# KiCad board impeller18.kicad_pcb (continued)
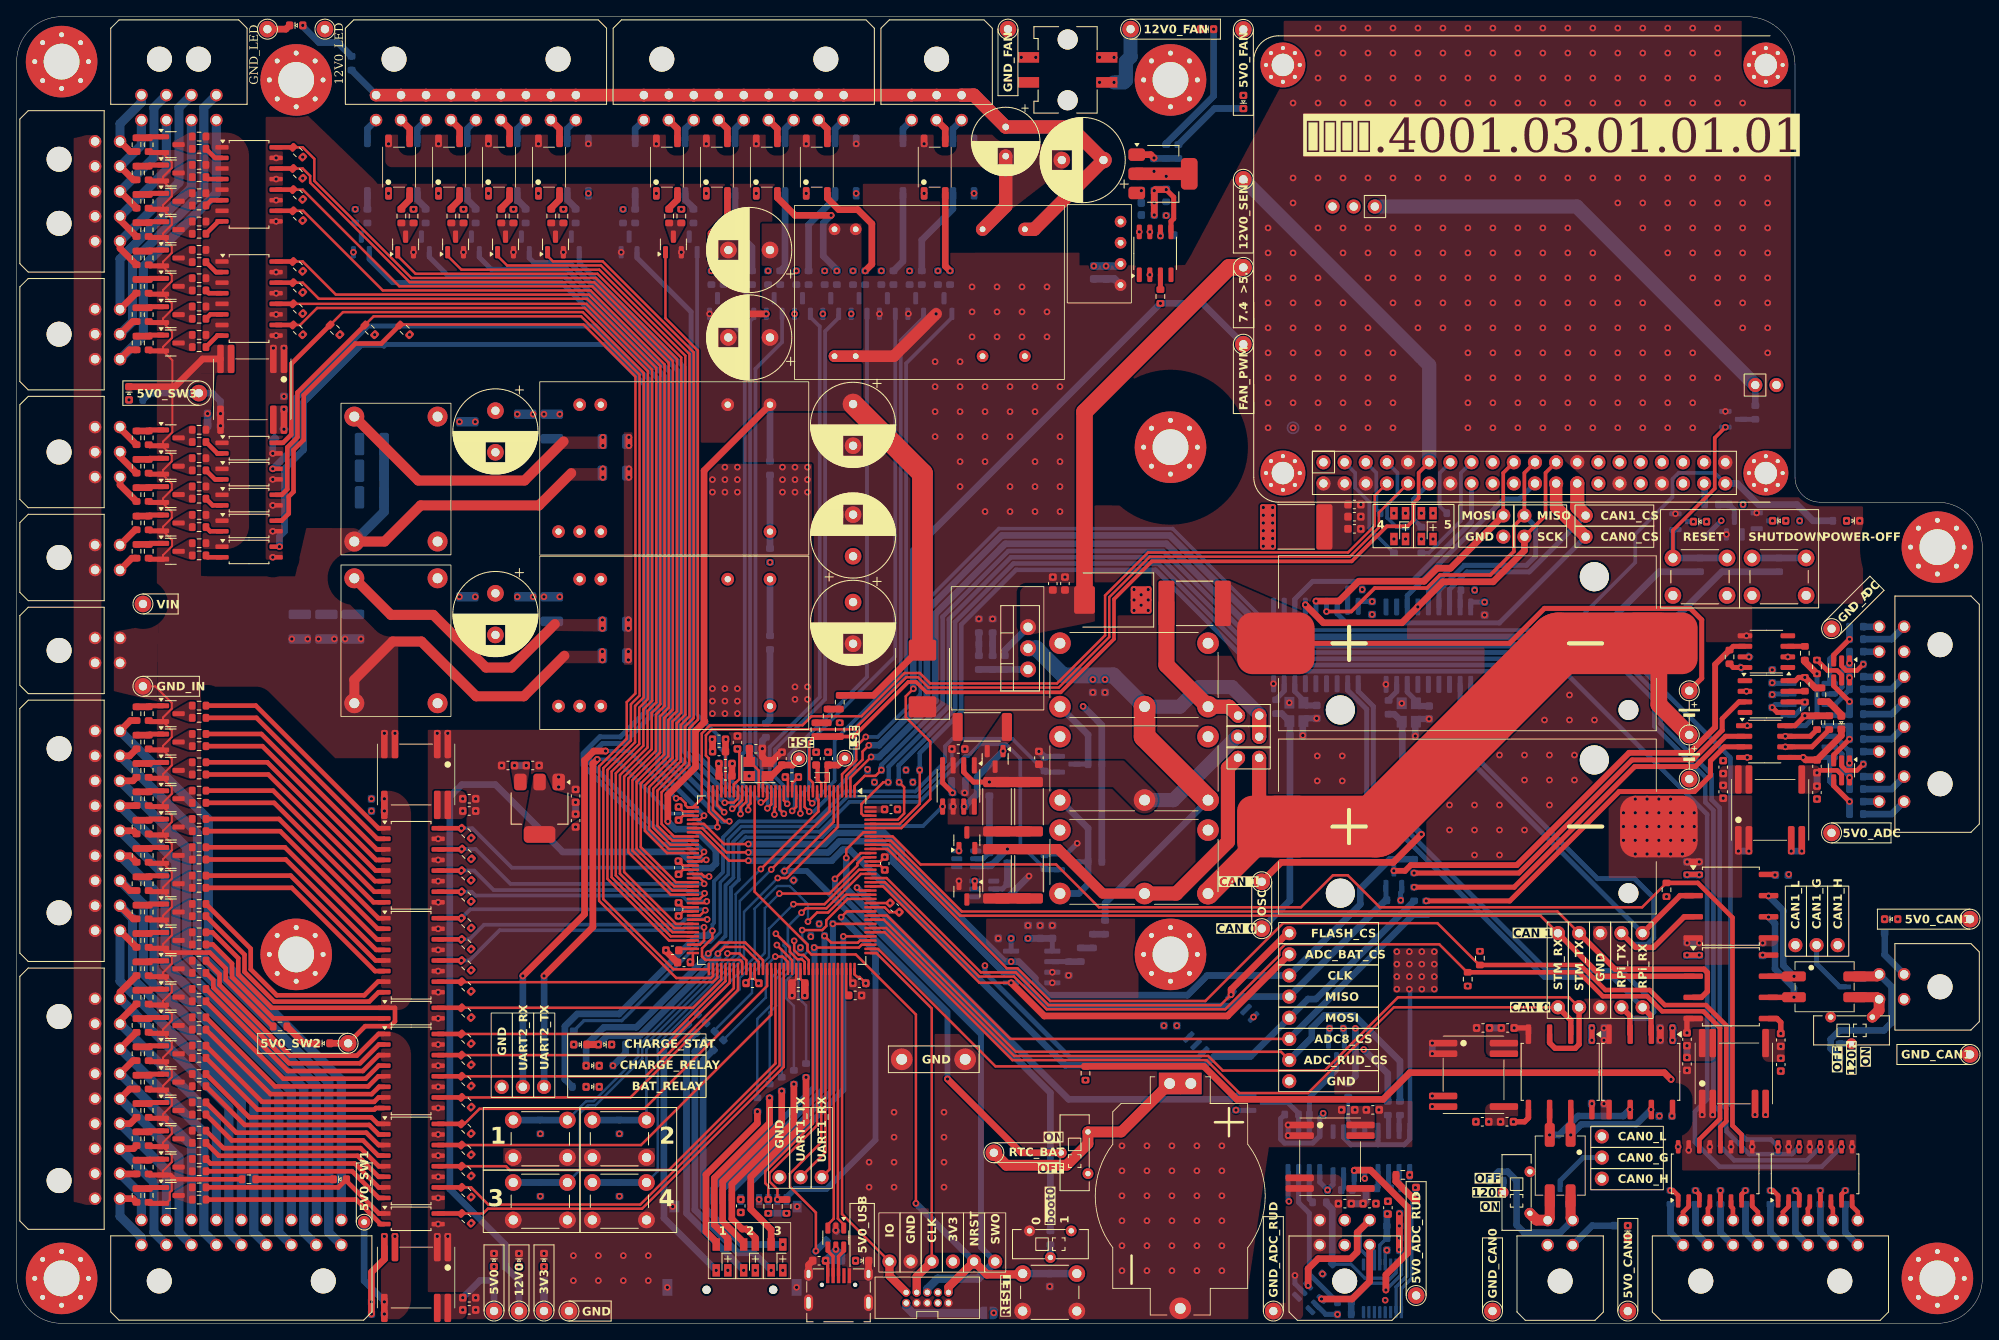
[diagram p0: board, top side]
## Footprints (pads in the part's own frame, mm; a bottom-side part is the same pattern mirrored in y, then rotated) (continued)
  rrect 0.3x1.475 smd: 37(-8.75,-10.662) 38(-8.25,-10.662) 39(-7.75,-10.662) 40(-7.25,-10.662) 41(-6.75,-10.662) 42(-6.25,-10.662) 43(-5.75,-10.662) 44(-5.25,-10.662) 45(-4.75,-10.662) 46(-4.25,-10.662) 47(-3.75,-10.662) 48(-3.25,-10.662) 49(-2.75,-10.662) 50(-2.25,-10.662) 51(-1.75,-10.662) 52(-1.25,-10.662) 53(-0.75,-10.662) 54(-0.25,-10.662) 55(0.25,-10.662) 56(0.75,-10.662) 57(1.25,-10.662) 58(1.75,-10.662) 59(2.25,-10.662) 60(2.75,-10.662) 61(3.25,-10.662) 62(3.75,-10.662) 63(4.25,-10.662) 64(4.75,-10.662) 65(5.25,-10.662) 66(5.75,-10.662) 67(6.25,-10.662) 68(6.75,-10.662) 69(7.25,-10.662) 70(7.75,-10.662) 71(8.25,-10.662) 72(8.75,-10.662) 109(8.75,10.662) 110(8.25,10.662) 111(7.75,10.662) 112(7.25,10.662) 113(6.75,10.662) 114(6.25,10.662) 115(5.75,10.662) 116(5.25,10.662) 117(4.75,10.662) 118(4.25,10.662) 119(3.75,10.662) 120(3.25,10.662) 121(2.75,10.662) 122(2.25,10.662) 123(1.75,10.662) 124(1.25,10.662) 125(0.75,10.662) 126(0.25,10.662) 127(-0.25,10.662) 128(-0.75,10.662) 129(-1.25,10.662) 130(-1.75,10.662) 131(-2.25,10.662) 132(-2.75,10.662) 133(-3.25,10.662) 134(-3.75,10.662) 135(-4.25,10.662) 136(-4.75,10.662) 137(-5.25,10.662) 138(-5.75,10.662) 139(-6.25,10.662) 140(-6.75,10.662) 141(-7.25,10.662) 142(-7.75,10.662) 143(-8.25,10.662) 144(-8.75,10.662)
MountingHole_2.7mm_M2.5_Pad_Via
  round 0.8 hole 0.5: 1(-2.025,0) 1(-1.432,1.432) 1(-1.432,-1.432) 1(0,2.025) 1(0,-2.025) 1(1.432,1.432) 1(1.432,-1.432) 1(2.025,0)
  round 5.4 hole 2.7: 1(0,0)
MountingHole_M4_PCHSS4-22
  round 0.9 hole 0.6: 1(-3.225,0) 1(-2.28,2.28) 1(-2.28,-2.28) 1(0,3.225) 1(0,-3.225) 1(2.28,2.28) 1(2.28,-2.28) 1(3.225,0)
  round 8.6 hole 4.3: 1(0,0)
MountingHole_M4_protected
  round 0.9 hole 0.6: 1(-3.225,0) 1(-2.28,2.28) 1(-2.28,-2.28) 1(0,3.225) 1(0,-3.225) 1(2.28,2.28) 1(2.28,-2.28) 1(3.225,0)
  round 8.6 hole 4.3: 1(0,0)
MSS-12D16
  round 1.3 hole 0.65: 1(-1.6,2.5) 2(1.6,0) 3(-1.6,-2.5)
PinHeader_1x02_P2.54mm_Vertical
  round 1.7 hole 1: 1(0,0)
  oval 1.7x1.7 hole 1: 2(0,-2.54)
PinHeader_1x03_P2.54mm_Vertical
  round 1.7 hole 1: 1(0,0)
  oval 1.7x1.7 hole 1: 2(0,-2.54) 3(0,-5.08)
PinHeader_1x05_P2.54mm_Vertical
  round 1.7 hole 1: 1(0,0)
  oval 1.7x1.7 hole 1: 2(0,-2.54) 3(0,-5.08) 4(0,-7.62) 5(0,-10.16)
PinHeader_1x06_P2.54mm_Vertical
  round 1.7 hole 1: 1(0,0)
  oval 1.7x1.7 hole 1: 2(0,-2.54) 3(0,-5.08) 4(0,-7.62) 5(0,-10.16) 6(0,-12.7)
PinHeader_1x08_P2.54mm_Vertical
  round 1.7 hole 1: 1(0,0)
  oval 1.7x1.7 hole 1: 2(0,-2.54) 3(0,-5.08) 4(0,-7.62) 5(0,-10.16) 6(0,-12.7) 7(0,-15.24) 8(0,-17.78)
PinHeader_2x02_P2.54mm_Vertical
  round 1.7 hole 1: 1(0,0)
  oval 1.7x1.7 hole 1: 2(2.54,0) 3(0,-2.54) 4(2.54,-2.54)
PinHeader_2x05_P1.27mm_Vertical_mod
  round 1 hole 0.65: 1(0,0)
  oval 1x1 hole 0.65: 2(1.27,0) 3(0,-1.27) 4(1.27,-1.27) 5(0,-2.54) 6(1.27,-2.54) 7(0,-3.81) 8(1.27,-3.81) 9(0,-5.08) 10(1.27,-5.08)
PinSocket_1x02_P2.54mm_Vertical
  round 1.7 hole 1: 1(0,0)
  oval 1.7x1.7 hole 1: 2(0,-2.54)
PinSocket_1x03_P2.54mm_Vertical
  round 1.7 hole 1: 1(0,0)
  oval 1.7x1.7 hole 1: 2(0,-2.54) 3(0,-5.08)
R_0603_1608Metric
  rrect 0.8x0.95 smd: 1(-0.825,0) 2(0.825,0)
R_2512_6332Metric
  rrect 1.225x3.35 smd: 1(-2.962,0) 2(2.962,0)
RPi
  round 1.7 hole 1: 1(0,0)
  oval 1.7x1.7 hole 1: 2(-2.54,0) 3(0,-2.54) 4(-2.54,-2.54) 5(0,-5.08) 6(-2.54,-5.08) 7(0,-7.62) 8(-2.54,-7.62) 9(0,-10.16) 10(-2.54,-10.16) 11(0,-12.7) 12(-2.54,-12.7) 13(0,-15.24) 14(-2.54,-15.24) 15(0,-17.78) 16(-2.54,-17.78) 17(0,-20.32) 18(-2.54,-20.32) 19(0,-22.86) 20(-2.54,-22.86) 21(0,-25.4) 22(-2.54,-25.4) 23(0,-27.94) 24(-2.54,-27.94) 25(0,-30.48) 26(-2.54,-30.48) 27(0,-33.02) 28(-2.54,-33.02) 29(0,-35.56) 30(-2.54,-35.56) 31(0,-38.1) 32(-2.54,-38.1) 33(0,-40.64) 34(-2.54,-40.64) 35(0,-43.18) 36(-2.54,-43.18) 37(0,-45.72) 38(-2.54,-45.72) 39(0,-48.26) 40(-2.54,-48.26)
SCWN06A-12
  round 1.4 hole 0.7: 2(-11.4,-7.65) 3(-8.86,-7.65) 9(6.38,-7.65) 11(11.46,-7.65) 14(11.46,7.59) 16(6.38,7.59) 22(-8.86,7.59) 23(-11.4,7.59)
SMU02M-12
  round 1.4 hole 0.7: 1(3.76,2.55) 2(1.22,2.55) 3(-1.32,2.55) 4(-3.86,2.55)
SO-8_3.9x4.9mm_P1.27mm
  rrect 1.75x0.6 smd: 1(-2.575,1.905) 2(-2.575,0.635) 3(-2.575,-0.635) 4(-2.575,-1.905) 5(2.575,-1.905) 6(2.575,-0.635) 7(2.575,0.635) 8(2.575,1.905)
SOIC-8_3.9x4.9mm_P1.27mm
  rrect 1.95x0.6 smd: 1(-2.475,1.905) 2(-2.475,0.635) 3(-2.475,-0.635) 4(-2.475,-1.905) 5(2.475,-1.905) 6(2.475,-0.635) 7(2.475,0.635) 8(2.475,1.905)
SOIC-8_5.23x5.23mm_P1.27mm
  rrect 1.6x0.6 smd: 1(-3.6,1.905) 2(-3.6,0.635) 3(-3.6,-0.635) 4(-3.6,-1.905) 5(3.6,-1.905) 6(3.6,-0.635) 7(3.6,0.635) 8(3.6,1.905)
SOIC-16_3.9x9.9mm_P1.27mm
  rrect 1.95x0.6 smd: 1(-2.475,4.445) 2(-2.475,3.175) 3(-2.475,1.905) 4(-2.475,0.635) 5(-2.475,-0.635) 6(-2.475,-1.905) 7(-2.475,-3.175) 8(-2.475,-4.445) 9(2.475,-4.445) 10(2.475,-3.175) 11(2.475,-1.905) 12(2.475,-0.635) 13(2.475,0.635) 14(2.475,1.905) 15(2.475,3.175) 16(2.475,4.445)
SOIC-16_4.55x10.3mm_P1.27mm
  rrect 1.6x0.55 smd: 1(-3.25,4.445) 2(-3.25,3.175) 3(-3.25,1.905) 4(-3.25,0.635) 5(-3.25,-0.635) 6(-3.25,-1.905) 7(-3.25,-3.175) 8(-3.25,-4.445) 9(3.25,-4.445) 10(3.25,-3.175) 11(3.25,-1.905) 12(3.25,-0.635) 13(3.25,0.635) 14(3.25,1.905) 15(3.25,3.175) 16(3.25,4.445)
SOIC-18W_7.5x11.6mm_P1.27mm
  rrect 2.05x0.6 smd: 1(-4.65,5.08) 2(-4.65,3.81) 3(-4.65,2.54) 4(-4.65,1.27) 5(-4.65,0) 6(-4.65,-1.27) 7(-4.65,-2.54) 8(-4.65,-3.81) 9(-4.65,-5.08) 10(4.65,-5.08) 11(4.65,-3.81) 12(4.65,-2.54) 13(4.65,-1.27) 14(4.65,0) 15(4.65,1.27) 16(4.65,2.54) 17(4.65,3.81) 18(4.65,5.08)
SolderJumper-2_P1.3mm_Open_RoundedPad1.0x1.5mm
  custom 1x1.5 smd: 1(-0.65,0) 2(0.65,0)
SOT-23
  rrect 1.475x0.6 smd: 1(-0.938,0.95) 2(-0.938,-0.95) 3(0.938,0)
SOT-23-6
  rrect 1.325x0.6 smd: 1(-1.137,0.95) 2(-1.137,0) 3(-1.137,-0.95) 4(1.137,-0.95) 5(1.137,0) 6(1.137,0.95)
SOT-223-3_TabPin2
  rrect 2x1.5 smd: 1(-3.15,2.3) 2(-3.15,0) 3(-3.15,-2.3)
  rrect 2x3.8 smd: 2(3.15,0)
SW_PUSH_6mm_H5mm
  round 2 hole 1.1: 1(0,0) 1(6.5,0) 2(0,-4.5) 2(6.5,-4.5)
TestPoint_Bridge_Pitch7.62mm_Drill1.3mm
  round 2.6 hole 1.3: 1(0,0) 1(7.62,0)
TestPoint_THTPad_D1.5mm_Drill0.7mm
  round 1.5 hole 0.7: 1(0,0)
TestPoint_THTPad_D2.0mm_Drill1.0mm
  round 2 hole 1: 1(0,0)
TF01A-NEW
  round 1 hole 1 unplated: (-0.29,4.71) (-0.29,12.71)
  rect 1.3x0.7 smd: 1(10.55,5.52) 2(10.55,6.62) 3(10.55,7.72) 4(10.55,8.82) 5(10.55,9.92) 6(10.55,11.02) 7(10.55,12.12) 8(10.55,13.22) 9(10.55,14.32)
  rect 2x1.2 smd: 10(0,0) 10(0,15.52)
  rect 1.4x1.2 smd: 10(9.7,0.84)
  rect 1.4x1.05 smd: 10(9.7,15.595)
TLP291
  rrect 1.6x0.55 smd: 1(-3.25,0.635) 2(-3.25,-0.635) 3(3.25,-0.635) 4(3.25,0.635)
TO-220-3_Vertical_radiator
  round 1.905 hole 1.1: 1(0,0) 2(2.54,0) 3(5.08,0)
TSSOP-16_4.4x5mm_P0.65mm
  rrect 1.475x0.4 smd: 1(-2.862,2.275) 2(-2.862,1.625) 3(-2.862,0.975) 4(-2.862,0.325) 5(-2.862,-0.325) 6(-2.862,-0.975) 7(-2.862,-1.625) 8(-2.862,-2.275) 9(2.862,-2.275) 10(2.862,-1.625) 11(2.862,-0.975) 12(2.862,-0.325) 13(2.862,0.325) 14(2.862,0.975) 15(2.862,1.625) 16(2.862,2.275)
U-F-M5DD-W-2-SUS
  round 0.5 hole 0.5 unplated: (-2,-2.15) (2,-2.15)
  rect 0.4x1.8 smd: 1(1.3,-3.25) 2(0.65,-3.25) 3(0,-3.25) 4(-0.65,-3.25) 5(-1.3,-3.25)
  oval 1.09x2 hole 0.5x1.4: 6(-3.6,0) 6(3.6,0)
  oval 1.05x1.6 hole 0.45x1: 6(-3.6,-3.45) 6(3.6,-3.45)
VDRI25
  round 1.524 hole 0.762: 1(-13.9,-7.59) 2(-11.36,-7.59) 3(-8.82,-7.59) 11(11.5,-7.59) 14(11.5,7.65) 16(6.42,7.65) 22(-8.82,7.65) 23(-11.36,7.65)

## Nets
3V3: C3.1 C4.1 C5.1 C6.1 C7.1 C8.1 C9.1 C10.1 C11.1 C12.1 C13.1 C14.1 C15.1 C17.1 C18.1 C19.1 C20.1 C29.1 C30.1 C60.2 C61.2 C62.2 C63.2 C65.1 C66.1 C67.1 C69.1 C70.1 C78.1 C79.1 C80.1 C82.1 C83.1 C122.1 C123.2 D12.2 D13.2 D20.2 D21.2 D22.2 J1.4 J32.4 JP1.1 Q58.1 Q59.1 Q60.1 R2.2 R3.2 R4.2 R5.2 R9.1 R41.1 R45.1 R64.2 R66.2 R74.2 R76.2 R84.2 R86.2 R94.2 R96.2 R104.2 R106.2 R114.2 R116.2 R124.2 R126.2 R134.2 R136.2 R141.2 R142.2 R151.2 R156.2 R161.2 R166.2 R172.2 R177.2 R182.2 R185.2 R192.2 R195.2 R202.2 R207.2 R210.2 R211.1 R213.1 R214.1 R216.1 R219.1 R220.1 R222.1 R225.1 R226.1 R228.1 R231.1 R233.1 R235.1 R237.1 R239.1 R241.1 R243.1 R245.1 R247.1 R249.1 R251.1 R281.1 R294.1 R297.1 R300.2 R302.2 R304.2 R306.2 R308.2 R310.2 R312.2 R314.2 R319.1 R320.1 R321.1 R322.1 R323.1 R324.1 R345.1 R350.1 R354.2 SW2.1 SW3.1 SW11.2 SW13.2 TP8.1 U1.17 U1.30 U1.32 U1.33 U1.39 U1.52 U1.62 U1.72 U1.84 U1.95 U1.108 U1.121 U1.131 U1.143 U1.144 U2.2 U9.1 U9.8 U10.1 U11.1 U12.18 U14.1 U15.1 U16.18 U34.1 U35.1 U36.1 U37.1 U38.1 U39.1 U40.1 U41.1 U42.1 U43.1 U44.1 U45.1 U46.1 U47.1 U48.1 U49.1 U50.1 U51.1 U52.1 U53.1 U54.1 U57.2 U59.1 U59.4 U64.2 U66.1 U66.4 U71.7 U71.8 U73.2
3V3_VBAT: C16.1 SW3.2 U1.6
5V0: C27.1 C28.1 C38.1 C39.1 C75.1 C76.1 C88.1 C89.1 C95.1 C96.1 C99.1 C100.1 C103.1 C104.1 C110.1 C111.1 C116.1 C117.1 D7.1 F2.2 K1.A2 K2.A2 K3.A2 R6.1 R8.2 R12.1 R15.1 R279.1 R280.1 R293.1 R296.1 TP7.1 U2.3 U3.14 U13.13 U13.14 U17.13 U17.14 U24.13 U24.14 U25.13 U25.14 U28.13 U28.14 U56.13 U56.14 U61.8 U63.13 U63.14 U68.8
5V0_ADC: C108.1 C109.1 C112.1 C113.2 R254.2 R255.2 R256.2 R257.2 R258.2 R259.1 TP33.1 U56.8 U57.8 U58.15 U58.16 U59.8 U60.5 U61.2 U62.5
5V0_ADC_RUD: C114.1 C115.1 C118.1 D19.2 J30.2 J30.5 L5.2 R284.2 R285.2 R286.2 R287.2 R288.2 R289.2 TP35.1 U63.8 U64.8 U65.13 U66.8 U67.5 U68.1 U68.4
5V0_CAN0: C64.1 C68.1 C73.1 C74.1 D9.2 TP19.1 U10.8 U11.8 U13.8
5V0_CAN1: C77.1 C81.1 C86.1 C87.1 D11.2 TP22.1 U14.8 U15.8 U17.8
5V0_FAN: C131.1 C132.1 D25.2 R335.2 R336.2 TP38.1 U73.8 U74.2
5V0_SWITCHES_1: C93.1 C94.1 D14.2 R57.1 R67.1 R77.1 R87.1 R97.1 R107.1 R117.1 R127.1 R137.1 TP25.1 U18.1 U18.3 U18.5 U18.7 U20.1 U20.3 U20.5 U20.7 U22.1 U24.8
5V0_SWITCHES_2: C97.1 C98.1 D15.2 R58.1 R68.1 R78.1 R88.1 R98.1 R108.1 R118.1 R128.1 R138.1 TP26.1 U19.1 U19.3 U19.5 U19.7 U21.1 U21.3 U21.5 U21.7 U23.1 U25.8
5V0_SWITCHES_3: C101.1 C102.1 R147.1 R152.1 R157.1 R162.1 R167.1 R168.2 R173.1 R178.1 R183.1 R188.1 R193.1 R198.1 R203.1 R208.1 TP29.1 U26.1 U26.3 U26.5 U26.7 U27.1 U27.3 U27.5 U27.7 U28.8 U29.1 U30.1 U31.1 U32.1 U33.1
7V4: C56.1 C57.1 J7.2 J8.1 K1.14 K2.11 R33.2 U8.2
12V0: C49.1 C50.1 C105.1 C125.2 C126.1 D4.2 R10.1 R11.1 R30.2 TP5.1 U4.14 U55.22 U55.23 U75.2
12V0_FAN: C128.1 C129.1 C130.1 D24.2 J34.3 TP37.1 U74.3 U75.4
12V0_LED: C106.1 C107.1 J26.1 J26.2 J26.3 J27.1 J27.2 J27.3 J27.4 J27.5 J27.6 J27.7 J27.8 J27.9 J28.1 J28.2 J28.3 J28.4 J28.5 J28.6 J28.7 J28.8 J28.9 R253.1 TP31.1 U55.14
12V0_SENS: J17.11 R34.1 R37.2 TP41.1 U1.11
GND: BT1.2 BT3.2 C1.2 C2.2 C3.2 C4.2 C5.2 C6.2 C7.2 C8.2 C9.2 C10.2 C11.2 C12.2 C13.2 C14.2 C15.2 C16.2 C17.2 C18.2 C19.2 C20.2 C21.1 C22.1 C23.2 C24.1 C25.1 C26.1 C27.2 C28.2 C29.2 C30.2 C38.2 C39.2 C40.2 C41.1 C49.2 C50.2 C51.2 C53.2 C54.2 C55.2 C56.2 C57.2 C58.2 C59.2 C60.1 C61.1 C62.1 C63.1 C65.2 C66.2 C67.2 C69.2 C70.2 C71.1 C72.1 C75.2 C76.2 C78.2 C79.2 C80.2 C82.2 C83.2 C84.1 C85.1 C88.2 C89.2 C90.1 C91.1 C92.1 C95.2 C96.2 C99.2 C100.2 C103.2 C104.2 C105.2 C110.2 C111.2 C116.2 C117.2 C122.2 C123.1 C124.2 C125.1 C126.2 D1.1 D2.1 D3.1 D27.1 D28.1 D30.1 J1.2 J2.3 J2.5 J2.9 J3.3 J4.8 J5.3 J12.3 J15.3 J17.6 J17.9 J17.14 J17.20 J17.25 J17.30 J17.34 J17.39 J32.6 J32.10 J33.5 J33.6 J38.4 Q1.2 Q2.2 Q5.2 Q37.2 Q38.2 Q39.2 Q40.2 Q41.2 Q42.2 Q43.2 Q44.2 Q45.2 Q46.2 Q47.2 Q48.2 Q49.2 Q50.2 Q51.2 Q52.2 Q53.2 Q54.2 Q55.2 Q56.2 Q57.2 Q61.2 Q62.2 Q64.2 Q66.2 R7.2 R13.1 R14.2 R16.1 R24.1 R28.1 R37.1 R38.2 R334.2 R340.2 R346.2 R351.2 SW1.2 SW2.3 SW4.2 SW5.2 SW6.2 SW7.2 TP12.1 TP13.1 TP16.1 U1.16 U1.31 U1.38 U1.51 U1.61 U1.83 U1.94 U1.107 U1.120 U1.130 U2.1 U3.16 U4.16 U6.6 U7.3 U9.3 U9.4 U10.4 U11.4 U12.9 U13.1 U13.2 U14.4 U15.4 U16.9 U17.1 U17.2 U18.9 U18.11 U18.13 U18.15 U19.9 U19.11 U19.13 U19.15 U20.9 U20.11 U20.13 U20.15 U21.9 U21.11 U21.13 U21.15 U22.3 U23.3 U24.1 U24.2 U25.1 U25.2 U26.9 U26.11 U26.13 U26.15 U27.9 U27.11 U27.13 U27.15 U28.1 U28.2 U29.3 U30.3 U31.3 U32.3 U33.3 U55.2 U55.3 U56.1 U56.2 U61.5 U63.1 U63.2 U68.5 U69.9 U69.11 U69.13 U69.15 U70.9 U70.11 U70.13 U70.15 U71.4 U72.2 U75.1 Y1.1 Y1.3 Y3.2 Y3.4 Y4.2 Y4.4
GND_ADC: C108.2 C109.2 C112.2 C113.1 D18.1 J29.1 J29.2 J29.3 J29.4 J29.5 J29.6 J29.7 J29.8 R271.2 R272.2 R273.2 R274.2 R275.2 R276.2 R277.2 R278.2 TP34.1 U56.6 U56.7 U57.5 U58.9 U58.14 U59.5 U60.2 U62.2
GND_ADC_RUD: C114.2 C115.2 C118.2 C119.1 C120.1 C121.1 J30.3 J30.6 R283.1 TP36.1 U63.6 U63.7 U64.5 U65.3 U65.4 U65.5 U66.5 U67.2
GND_CAN0: C64.2 C68.2 C73.2 C74.2 D8.3 J10.1 J10.2 J11.2 R42.1 TP20.1 U10.5 U11.5 U13.6 U13.7
GND_CAN1: C77.2 C81.2 C86.2 C87.2 D10.3 J13.1 J13.2 J14.2 R46.1 TP24.1 U14.5 U15.5 U17.6 U17.7
GND_FAN: C128.2 C129.2 C130.2 C131.2 C132.2 J34.4 R338.1 R339.1 TP39.1 U73.5 U74.1 U75.3
GND_IN: C31.2 C32.2 C33.2 C40.1 C42.2 C43.2 C44.2 C51.1 C93.2 C94.2 C97.2 C98.2 C101.2 C102.2 D16.1 J6.3 J6.4 L1.1 L2.1 Q6.2 Q7.2 Q8.2 Q9.2 Q10.2 Q11.2 Q12.2 Q13.2 Q14.2 Q15.2 Q16.2 Q17.2 Q18.2 Q19.2 Q20.2 Q21.2 Q22.2 Q23.2 Q24.2 Q25.2 Q26.2 Q27.2 Q28.2 Q29.2 Q30.2 Q31.2 Q32.2 Q33.2 Q34.2 Q35.2 Q36.2 R55.1 R56.1 R63.1 R65.1 R73.1 R75.1 R83.1 R85.1 R93.1 R95.1 R103.1 R105.1 R113.1 R115.1 R123.1 R125.1 R133.1 R135.1 R143.1 R144.1 R146.1 R150.1 R155.1 R160.1 R165.1 R171.1 R176.1 R181.1 R187.1 R191.1 R197.1 R201.1 R206.1 TP9.1 U24.6 U24.7 U25.6 U25.7 U28.6 U28.7
GND_LED: C106.2 C107.2 D17.1 TP32.1 U34.4 U35.4 U36.4 U37.4 U38.4 U39.4 U40.4 U41.4 U42.4 U43.4 U44.4 U45.4 U46.4 U47.4 U48.4 U49.4 U50.4 U51.4 U52.4 U53.4 U54.4 U55.16
VIN: C26.2 C31.1 C32.1 C33.1 C41.2 C42.1 C43.1 C44.1 J6.1 J6.2 J18.1 J18.2 J18.3 J18.4 J18.5 J18.6 J18.7 J18.8 J18.9 J20.1 J20.2 J20.3 J20.4 J20.5 J20.6 J20.7 J20.8 J20.9 J21.1 J21.2 J21.3 J21.4 J21.5 J23.1 J23.2 J23.3 J24.1 J24.2 J25.1 J25.2 J25.3 L1.2 L2.2 TP4.1
/ADC8/ADC_5V_1: R266.2 R274.1 U58.1 U60.3
/ADC8/ADC_5V_2: R267.2 R275.1 U58.2 U60.1
/ADC8/ADC_5V_3: R265.2 R273.1 U58.3 U60.6
/ADC8/ADC_5V_4: R268.2 R276.1 U58.4 U60.4
/ADC8/ADC_5V_5: R264.2 R272.1 U58.5 U62.3
/ADC8/ADC_5V_6: R269.2 R277.1 U58.6 U62.1
/ADC8/ADC_5V_7: R263.2 R271.1 U58.7 U62.6
/ADC8/ADC_5V_8: R270.2 R278.1 U58.8 U62.4
/ADC8/SPI_ADC8_CLK: R255.1 U57.6 U58.13
/ADC8/SPI_ADC8_CS: R258.1 U58.10 U59.6
/ADC8/SPI_ADC8_MISO: R256.1 R282.2 U58.12
/ADC8/SPI_ADC8_MOSI: R257.1 U58.11 U59.7
/ADC_RUD/ADC_RUD_5V_1: J30.1 U65.11 U67.4
/ADC_RUD/ADC_RUD_5V_2: J30.4 U65.10 U67.3
/ADC_RUD/ADC_RUD_INT_: R288.1 R295.2 U65.14
/ADC_RUD/SPI_ADC_RUD_CLK: R284.1 U65.1 U66.6
/ADC_RUD/SPI_ADC_RUD_CS: R287.1 U65.2 U66.7
/ADC_RUD/SPI_ADC_RUD_MISO: R285.1 R298.1 U65.15
/ADC_RUD/SPI_ADC_RUD_MOSI: R286.1 U64.6 U65.16
/BOOT0: R1.1 U1.138
/BUTTON_1: R2.1 SW4.1 U1.82
/BUTTON_2: R3.1 SW5.1 U1.7
/BUTTON_3: R4.1 SW6.1 U1.10
/BUTTON_4: R5.1 SW7.1 U1.5
/CAN/CAN0+: D8.1 J10.3 L3.2 R39.1
/CAN/CAN0-: D8.2 J10.4 L3.3 SW8.1
/CAN/CAN0_+: J11.3 L3.1 U10.7 U11.7
/CAN/CAN0_-: J11.1 L3.4 U10.6 U11.6
/CAN/CAN0_RPi_RX: J12.1 U11.2 U12.2
/CAN/CAN0_RPi_TX: J12.2 U11.3 U12.1
/CAN/CAN1+: D10.1 J13.3 L4.2 R43.1
/CAN/CAN1-: D10.2 J13.4 L4.3 SW9.1
/CAN/CAN1_+: J14.3 L4.1 U14.7 U15.7
/CAN/CAN1_-: J14.1 L4.4 U14.6 U15.6
/CAN/CAN1_RPi_RX: J15.1 U15.2 U16.2
/CAN/CAN1_RPi_TX: J15.2 U15.3 U16.1
/Digital inputs 5V/INPUT_1_NEG: J31.9 U69.8
/Digital inputs 5V/INPUT_1_POS: J31.1 R299.1
/Digital inputs 5V/INPUT_2_NEG: J31.10 U69.6
/Digital inputs 5V/INPUT_2_POS: J31.2 R301.1
/Digital inputs 5V/INPUT_3_NEG: J31.11 U69.4
/Digital inputs 5V/INPUT_3_POS: J31.3 R303.1
/Digital inputs 5V/INPUT_4_NEG: J31.12 U69.2
/Digital inputs 5V/INPUT_4_POS: J31.4 R305.1
/Digital inputs 5V/INPUT_5_NEG: J31.13 U70.8
/Digital inputs 5V/INPUT_5_POS: J31.5 R307.1
/Digital inputs 5V/INPUT_6_NEG: J31.14 U70.6
/Digital inputs 5V/INPUT_6_POS: J31.6 R309.1
/Digital inputs 5V/INPUT_7_NEG: J31.15 U70.4
/Digital inputs 5V/INPUT_7_POS: J31.7 R311.1
/Digital inputs 5V/INPUT_8_NEG: J31.16 U70.2
/Digital inputs 5V/INPUT_8_POS: J31.8 R313.1
/Fan/FAN_PWM_5V0: J34.2 R336.1 U73.6
/HSE_IN: C21.2 TP2.1 U1.23 Y1.2
/HSE_OUT: C25.2 U1.24 Y1.4
/LED_indicators/LED1_EXT_12V: J27.10 U34.3
/LED_indicators/LED2_EXT_12V: J27.11 U37.3
/LED_indicators/LED3_EXT_12V: J27.12 U40.3
/LED_indicators/LED4_EXT_12V: J27.13 U43.3
/LED_indicators/LED5_EXT_12V: J27.14 U45.3
/LED_indicators/LED6_EXT_12V: J27.15 U47.3
/LED_indicators/LED7_EXT_12V: J27.16 U49.3
/LED_indicators/LED8_EXT_12V: J27.17 U51.3
/LED_indicators/LED9_EXT_12V: J27.18 U53.3
/LED_indicators/LED10_EXT_12V: J28.10 U35.3
/LED_indicators/LED11_EXT_12V: J28.11 U38.3
/LED_indicators/LED12_EXT_12V: J28.12 U41.3
/LED_indicators/LED13_EXT_12V: J28.13 U44.3
/LED_indicators/LED14_EXT_12V: J28.14 U46.3
/LED_indicators/LED15_EXT_12V: J28.15 U48.3
/LED_indicators/LED16_EXT_12V: J28.16 U50.3
/LED_indicators/LED17_EXT_12V: J28.17 U52.3
/LED_indicators/LED18_EXT_12V: J28.18 U54.3
/LED_indicators/LED19_EXT_12V: J26.4 U36.3
/LED_indicators/LED20_EXT_12V: J26.5 U39.3
/LED_indicators/LED21_EXT_12V: J26.6 U42.3
/LSE_IN: C22.2 TP1.1 U1.8 Y2.2
/LSE_OUT: C24.2 U1.9 Y2.1
/NRST: C23.1 J1.5 J2.10 SW1.1 U1.25
/Power/BAT_CHRG_TOGGLE_: K1.A1 K3.A1 Q1.3 R12.2
/Power/BAT_RELAY_TOGGLE_: K2.A1 Q2.3 R15.2
/RPi/EN: J35.1 J36.1 R347.1
/STM32 Peripherals/usb_conn_d+: J33.3 U72.6
/STM32 Peripherals/usb_conn_d-: J33.2 U72.4
/Switches_1/SWITCH_1.1_EXT: J18.18 J19.5 R53.2
/Switches_1/SWITCH_1.2_EXT: J18.17 J19.15 R61.2
/Switches_1/SWITCH_1.3_EXT: J18.16 J19.6 R71.2
/Switches_1/SWITCH_1.4_EXT: J18.15 J19.16 R81.2
/Switches_1/SWITCH_1.5_EXT: J18.14 J19.7 R91.2
/Switches_1/SWITCH_1.6_EXT: J18.13 J19.17 R101.2
/Switches_1/SWITCH_1.7_EXT: J18.12 J19.8 R111.2
/Switches_1/SWITCH_1.8_EXT: J18.11 J19.18 R121.2
/Switches_1/SWITCH_1.9_EXT: J18.10 J19.9 R131.2
/Switches_1/SWITCH_2.1_EXT: J19.10 J20.18 R54.2
/Switches_1/SWITCH_2.2_EXT: J19.1 J20.17 R62.2
/Switches_1/SWITCH_2.3_EXT: J19.11 J20.16 R72.2
/Switches_1/SWITCH_2.4_EXT: J19.2 J20.15 R82.2
/Switches_1/SWITCH_2.5_EXT: J19.12 J20.14 R92.2
/Switches_1/SWITCH_2.6_EXT: J19.3 J20.13 R102.2
/Switches_1/SWITCH_2.7_EXT: J19.13 J20.12 R112.2
/Switches_1/SWITCH_2.8_EXT: J19.4 J20.11 R122.2
/Switches_1/SWITCH_2.9_EXT: J19.14 J20.10 R132.2
/Switches_2/SWITCH_3.1_EXT: J21.10 J22.1 R145.2
/Switches_2/SWITCH_3.2_EXT: J21.9 J22.5 R149.2
/Switches_2/SWITCH_3.3_EXT: J21.8 J22.2 R154.2
/Switches_2/SWITCH_3.4_EXT: J21.7 J22.6 R159.2
/Switches_2/SWITCH_3.5_EXT: J21.6 J22.3 R164.2
/Switches_2/SWITCH_3.6_EXT: J22.7 J23.6 R170.2
/Switches_2/SWITCH_3.7_EXT: J22.4 J23.5 R175.2
/Switches_2/SWITCH_3.8_EXT: J22.8 J23.4 R180.2
/Switches_2/SWITCH_3.9_EXT: J24.4 R186.2
/Switches_2/SWITCH_3.10_EXT: J24.3 R190.2
/Switches_2/SWITCH_4.1_EXT: J25.4 R196.2
/Switches_2/SWITCH_4.2_EXT: J25.5 R200.2
/Switches_2/SWITCH_4.3_EXT: J25.6 R205.2
/VCAP_1: C1.1 U1.71
/VCAP_2: C2.1 U1.106
ADC_RUD_INT: Q60.2 R297.2 U1.124
BAT_CHRG_STAT: D5.1 D6.2 U1.85 U6.5
BAT_CHRG_TOGGLE: D26.2 Q1.1 R13.2 U1.86
BAT_RELAY_TOGGLE: Q2.1 R16.2 R341.1 U1.81
CAN0_RPI_INT: J17.16 U12.12
CAN0_STM32_RX: J12.5 U1.114 U10.2
CAN0_STM32_TX: J12.4 U1.115 U10.3
CAN1_RPI_INT: J17.22 U16.12
CAN1_STM32_RX: J15.5 U1.135 U14.2
CAN1_STM32_TX: J15.4 U1.136 U14.3
DEBUG_SWD_CLK: J1.3 J2.4 U1.109
DEBUG_SWD_IO: J1.1 J2.2 U1.105
DEBUG_SWD_SWO: J1.6 J2.6 U1.133
DIGITAL_IN_1: R300.1 U1.140 U69.10
DIGITAL_IN_2: R302.1 U1.141 U69.12
DIGITAL_IN_3: R304.1 U1.142 U69.14
DIGITAL_IN_4: R306.1 U1.1 U69.16
DIGITAL_IN_5: R308.1 U1.137 U70.10
DIGITAL_IN_6: R310.1 U1.134 U70.12
DIGITAL_IN_7: R312.1 U1.126 U70.14
DIGITAL_IN_8: R314.1 U1.110 U70.16
FAN_PWM_3V3: R337.1 TP6.1 U1.139
GPIO-POWEROFF: J17.40 R344.1 U1.4
GPIO-SHUTDOWN: J17.38 R353.1
LED1_EXT: Q37.1 U1.40
LED1_RGB_BLUE: R325.2 U1.123
LED1_RGB_GREEN: R317.2 U1.93
LED1_RGB_RED: R315.2 U1.96
LED1_RPI_RGB_BLUE: J17.3 R49.2
LED1_RPI_RGB_GREEN: J17.5 R48.2
LED1_RPI_RGB_RED: J17.7 R47.2
LED2_EXT: Q40.1 U1.48
LED2_RGB_BLUE: R331.2 U1.132
LED2_RGB_GREEN: R329.2 U1.128
LED2_RGB_RED: R327.2 U1.97
LED2_RPI_RGB_BLUE: J17.15 R52.2
LED2_RPI_RGB_GREEN: J17.12 R51.2
LED2_RPI_RGB_RED: J17.13 R50.2
LED3_EXT: Q43.1 U1.35
LED3_RGB_BLUE: R326.2 U1.129
LED3_RGB_GREEN: R318.2 U1.122
LED3_RGB_RED: R316.2 U1.92
LED4_EXT: Q46.1 U1.47
LED5_EXT: Q48.1 U1.34
LED6_EXT: Q50.1 U1.46
LED7_EXT: Q52.1 U1.29
LED8_EXT: Q54.1 U1.45
LED9_EXT: Q56.1 U1.28
LED10_EXT: Q38.1 U1.27
LED11_EXT: Q41.1 U1.44
LED12_EXT: Q44.1 U1.26
LED13_EXT: Q47.1 U1.22
LED14_EXT: Q49.1 U1.21
LED15_EXT: Q51.1 U1.18
LED16_EXT: Q53.1 U1.20
LED17_EXT: Q55.1 U1.15
LED18_EXT: Q57.1 U1.19
LED19_EXT: Q39.1 U1.14
LED20_EXT: Q42.1 U1.13
LED21_EXT: Q45.1 U1.12
PACK_CHARGE+: C53.1 J7.1 K1.11 Q3.3 R17.2 R18.2 R19.1 U6.2
RPi-RESET: R343.1 U1.3
RPi-SHUTDOWN: R349.1 U1.2
SD_CD: J32.9 R319.2 U1.119
SDIO_CLK: J32.5 U1.113
SDIO_CMD: J32.3 R322.2 U1.116
SDIO_DAT0: J32.7 R321.2 U1.98
SDIO_DAT1: J32.8 R320.2 U1.99
SDIO_DAT2: J32.1 R324.2 U1.111
SDIO_DAT3: J32.2 R323.2 U1.112
SPI1_RPi_CAN0_CS: J17.24 J37.1 U12.16
SPI1_RPi_CAN1_CS: J17.26 J37.2 U16.16
SPI1_RPi_MISO: J17.21 J38.1 U12.15 U16.15
SPI1_RPi_MOSI: J17.19 J38.3 U12.14 U16.14
SPI1_RPi_SCK: J17.23 J38.2 U12.13 U16.13
SPI1_STM32_ADC8_CS: J4.6 R262.1 U1.118
SPI1_STM32_ADC_BAT_CS: J4.2 U1.125 U9.5
SPI1_STM32_ADC_RUD_CS: J4.7 R292.1 U1.117
SPI1_STM32_CLK: J4.3 R260.2 R290.1 U1.41 U9.7 U71.6
SPI1_STM32_FLASH_CS: J4.1 U1.127 U71.1
SPI1_STM32_MISO: J4.4 Q58.2 Q59.2 R281.2 R294.2 U1.42 U9.6 U71.2
SPI1_STM32_MOSI: J4.5 R261.2 R291.2 U1.43 U71.5
SWITCH_1.1_3V3: R64.1 U1.77 U18.16
SWITCH_1.2_3V3: R74.1 U1.78 U18.14
SWITCH_1.3_3V3: R84.1 U1.79 U18.12
SWITCH_1.4_3V3: R94.1 U1.80 U18.10
SWITCH_1.5_3V3: R104.1 U1.87 U20.16
SWITCH_1.6_3V3: R114.1 U1.88 U20.14
SWITCH_1.7_3V3: R124.1 U1.89 U20.12
SWITCH_1.8_3V3: R134.1 U1.90 U20.10
SWITCH_1.9_3V3: R141.1 U1.91 U22.4
SWITCH_2.1_3V3: R66.1 U1.53 U19.16
SWITCH_2.2_3V3: R76.1 U1.54 U19.14
SWITCH_2.3_3V3: R86.1 U1.59 U19.12
SWITCH_2.4_3V3: R96.1 U1.60 U19.10
SWITCH_2.5_3V3: R106.1 U1.63 U21.16
SWITCH_2.6_3V3: R116.1 U1.64 U21.14
SWITCH_2.7_3V3: R126.1 U1.70 U21.12
SWITCH_2.8_3V3: R136.1 U1.75 U21.10
SWITCH_2.9_3V3: R142.1 U1.76 U23.4
SWITCH_3.1_3V3: R151.1 U1.55 U26.16
SWITCH_3.2_3V3: R156.1 U1.56 U26.14
SWITCH_3.3_3V3: R161.1 U1.57 U26.12
SWITCH_3.4_3V3: R166.1 U1.58 U26.10
SWITCH_3.5_3V3: R172.1 U1.65 U27.16
SWITCH_3.6_3V3: R177.1 U1.66 U27.14
SWITCH_3.7_3V3: R182.1 U1.67 U27.12
SWITCH_3.8_3V3: R185.1 U1.68 U27.10
SWITCH_3.9_3V3: R192.1 U1.74 U29.4
SWITCH_3.10_3V3: R195.1 U1.50 U30.4
SWITCH_4.1_3V3: R202.1 U1.73 U31.4
SWITCH_4.2_3V3: R207.1 U1.49 U32.4
SWITCH_4.3_3V3: R210.1 U1.69 U33.4
UART1_STM32_RX: J3.1 U1.102
UART1_STM32_TX: J3.2 U1.101
UART2_STM32_RX: J5.2 J17.8 U1.37
UART2_STM32_TX: J5.1 J17.10 U1.36
USB_D+: U1.104 U72.1
USB_D-: U1.103 U72.3
USB_VBUS: R333.2 R334.1 U1.100
Net-(BT1-+): BT1.1 SW3.3 TP3.1
Net-(BT2-+): BT2.1 F1.2 TP14.1
Net-(BT2--): BT2.2 BT3.1 J9.2 K3.14 TP15.1
Net-(C34-Pad1): C34.1 C35.1 C36.1 C37.1 L1.3 U3.22 U3.23
Net-(C34-Pad2): C34.2 C35.2 C36.2 C37.2 L1.4 U3.2 U3.3
Net-(C45-Pad1): C45.1 C46.1 C47.1 C48.1 L2.3 U4.22 U4.23
Net-(C45-Pad2): C45.2 C46.2 C47.2 C48.2 L2.4 U4.2 U4.3
Net-(C72-Pad2): C72.2 R40.1 TP18.1 Y3.3
Net-(C85-Pad2): C85.2 R44.1 TP21.1 Y4.3
Net-(C90-Pad2): C90.2 C91.2 C92.2 F2.1 J17.2 J17.4
Net-(D1-A): D1.2 R8.1
Net-(D2-A): D2.2 R9.2
Net-(D3-A): D3.2 R10.2
Net-(D4-K): C54.1 D4.1 R20.1 R21.2 R22.2 R27.2 U6.3 U6.8
Net-(D5-A): D5.2 R27.1
Net-(D6-K): D6.1 R28.2
Net-(D7-A): C58.1 C59.1 D7.2 R29.1 TP17.1 U8.3
Net-(D9-K): D9.1 R42.2
Net-(D11-K): D11.1 R46.2
Net-(D12-BK): D12.3 R49.1
Net-(D12-GK): D12.4 R48.1
Net-(D12-RK): D12.1 R47.1
Net-(D13-BK): D13.3 R52.1
Net-(D13-GK): D13.4 R51.1
Net-(D13-RK): D13.1 R50.1
Net-(D14-K): D14.1 R143.2
Net-(D15-K): D15.1 R144.2
Net-(D16-A): D16.2 R168.1
Net-(D17-A): D17.2 R253.2
Net-(D18-A): D18.2 R254.1
Net-(D19-K): D19.1 R283.2
Net-(D20-BK): D20.3 R325.1
Net-(D20-GK): D20.4 R317.1
Net-(D20-RK): D20.1 R315.1
Net-(D21-BK): D21.3 R326.1
Net-(D21-GK): D21.4 R318.1
Net-(D21-RK): D21.1 R316.1
Net-(D22-BK): D22.3 R331.1
Net-(D22-GK): D22.4 R329.1
Net-(D22-RK): D22.1 R327.1
Net-(D24-K): D24.1 R338.2
Net-(D25-K): D25.1 R339.2
Net-(D26-K): D26.1 R340.1
Net-(D27-A): D27.2 R341.2
Net-(D28-A): D28.2 R342.1
Net-(D29-A): D29.2 R345.2
Net-(D29-K): D29.1 Q62.3
Net-(D30-A): D30.2 R344.2
Net-(D31-A): D31.2 R350.2
Net-(D31-K): D31.1 Q66.3
Net-(J2-Pin_1): J2.1 JP1.2
Net-(J8-Pin_2): F1.1 J8.2 K2.14
Net-(J9-Pin_1): C52.2 J9.1 K3.11 Q4.2 R23.2 R25.2 R26.1 U5.3
Net-(J29-Pin_9): J29.9 R266.1
Net-(J29-Pin_10): J29.10 R267.1
Net-(J29-Pin_11): J29.11 R265.1
Net-(J29-Pin_12): J29.12 R268.1
Net-(J29-Pin_13): J29.13 R264.1
Net-(J29-Pin_14): J29.14 R269.1
Net-(J29-Pin_15): J29.15 R263.1
Net-(J29-Pin_16): J29.16 R270.1
Net-(J33-VBUS): C124.1 J33.1 R333.1 R342.2 U72.5
Net-(Q3-G): Q3.1 R21.1 U6.7
Net-(Q3-S): Q3.2 R20.2 U6.1
Net-(Q4-D): Q4.3 R18.1 R19.2
Net-(Q4-G): Q4.1 U5.6
Net-(Q5-D): Q5.3 R25.1 R26.2
Net-(Q5-G): Q5.1 U7.6
Net-(Q6-D): Q6.3 R57.2 R59.1
Net-(Q6-G): Q6.1 R53.1 R55.2
Net-(Q7-D): Q7.3 R58.2 R60.1
Net-(Q7-G): Q7.1 R54.1 R56.2
Net-(Q8-D): Q8.3 R67.2 R69.1
Net-(Q8-G): Q8.1 R61.1 R63.2
Net-(Q9-D): Q9.3 R68.2 R70.1
Net-(Q9-G): Q9.1 R62.1 R65.2
Net-(Q10-D): Q10.3 R77.2 R79.1
Net-(Q10-G): Q10.1 R71.1 R73.2
Net-(Q11-D): Q11.3 R78.2 R80.1
Net-(Q11-G): Q11.1 R72.1 R75.2
Net-(Q12-D): Q12.3 R87.2 R89.1
Net-(Q12-G): Q12.1 R81.1 R83.2
Net-(Q13-D): Q13.3 R88.2 R90.1
Net-(Q13-G): Q13.1 R82.1 R85.2
Net-(Q14-D): Q14.3 R97.2 R99.1
Net-(Q14-G): Q14.1 R91.1 R93.2
Net-(Q15-D): Q15.3 R98.2 R100.1
Net-(Q15-G): Q15.1 R92.1 R95.2
Net-(Q16-D): Q16.3 R107.2 R109.1
Net-(Q16-G): Q16.1 R101.1 R103.2
Net-(Q17-D): Q17.3 R108.2 R110.1
Net-(Q17-G): Q17.1 R102.1 R105.2
Net-(Q18-D): Q18.3 R117.2 R119.1
Net-(Q18-G): Q18.1 R111.1 R113.2
Net-(Q19-D): Q19.3 R118.2 R120.1
Net-(Q19-G): Q19.1 R112.1 R115.2
Net-(Q20-D): Q20.3 R127.2 R129.1
Net-(Q20-G): Q20.1 R121.1 R123.2
Net-(Q21-D): Q21.3 R128.2 R130.1
Net-(Q21-G): Q21.1 R122.1 R125.2
Net-(Q22-D): Q22.3 R137.2 R139.1
Net-(Q22-G): Q22.1 R131.1 R133.2
Net-(Q23-D): Q23.3 R138.2 R140.1
Net-(Q23-G): Q23.1 R132.1 R135.2
Net-(Q24-D): Q24.3 R147.2 R148.1
Net-(Q24-G): Q24.1 R145.1 R146.2
Net-(Q25-D): Q25.3 R152.2 R153.1
Net-(Q25-G): Q25.1 R149.1 R150.2
Net-(Q26-D): Q26.3 R157.2 R158.1
Net-(Q26-G): Q26.1 R154.1 R155.2
Net-(Q27-D): Q27.3 R162.2 R163.1
Net-(Q27-G): Q27.1 R159.1 R160.2
Net-(Q28-D): Q28.3 R167.2 R169.1
Net-(Q28-G): Q28.1 R164.1 R165.2
Net-(Q29-D): Q29.3 R173.2 R174.1
Net-(Q29-G): Q29.1 R170.1 R171.2
Net-(Q30-D): Q30.3 R178.2 R179.1
Net-(Q30-G): Q30.1 R175.1 R176.2
Net-(Q31-D): Q31.3 R183.2 R184.1
Net-(Q31-G): Q31.1 R180.1 R181.2
Net-(Q32-D): Q32.3 R188.2 R189.1
Net-(Q32-G): Q32.1 R186.1 R187.2
Net-(Q33-D): Q33.3 R193.2 R194.1
Net-(Q33-G): Q33.1 R190.1 R191.2
Net-(Q34-D): Q34.3 R198.2 R199.1
Net-(Q34-G): Q34.1 R196.1 R197.2
Net-(Q35-D): Q35.3 R203.2 R204.1
Net-(Q35-G): Q35.1 R200.1 R201.2
Net-(Q36-D): Q36.3 R208.2 R209.1
Net-(Q36-G): Q36.1 R205.1 R206.2
Net-(Q37-D): Q37.3 R211.2 R212.1
Net-(Q38-D): Q38.3 R213.2 R215.1
Net-(Q39-D): Q39.3 R214.2 R217.1
Net-(Q40-D): Q40.3 R216.2 R218.1
Net-(Q41-D): Q41.3 R219.2 R221.1
Net-(Q42-D): Q42.3 R220.2 R223.1
Net-(Q43-D): Q43.3 R222.2 R224.1
Net-(Q44-D): Q44.3 R225.2 R227.1
Net-(Q45-D): Q45.3 R226.2 R229.1
Net-(Q46-D): Q46.3 R228.2 R230.1
Net-(Q47-D): Q47.3 R231.2 R232.1
Net-(Q48-D): Q48.3 R233.2 R234.1
Net-(Q49-D): Q49.3 R235.2 R236.1
Net-(Q50-D): Q50.3 R237.2 R238.1
Net-(Q51-D): Q51.3 R239.2 R240.1
Net-(Q52-D): Q52.3 R241.2 R242.1
Net-(Q53-D): Q53.3 R243.2 R244.1
Net-(Q54-D): Q54.3 R245.2 R246.1
Net-(Q55-D): Q55.3 R247.2 R248.1
Net-(Q56-D): Q56.3 R249.2 R250.1
Net-(Q57-D): Q57.3 R251.2 R252.1
Net-(Q58-D): Q58.3 R280.2 U61.6
Net-(Q59-D): Q59.3 R293.2 U68.7
Net-(Q60-D): Q60.3 R296.2 U68.6
Net-(Q61-D): Q61.3 R347.2
Net-(Q61-G): Q61.1 Q62.1 R343.2 SW11.1
Net-(Q64-D): Q64.3 R353.2 R354.1
Net-(Q64-G): Q64.1 Q66.1 R349.2 SW13.1
Net-(R30-Pad1): R30.1 R32.2
Net-(R31-Pad2): R31.2 R346.1 R352.2
Net-(R32-Pad1): R32.1 R34.2
Net-(R33-Pad1): R33.1 R35.2
Net-(R35-Pad1): R35.1 R36.2
Net-(R59-Pad2): R59.2 U18.2
Net-(R60-Pad2): R60.2 U19.2
